# Altium PCB STM32G4_4008_brushless_motor.PcbDoc
Units mil, origin at the board's own origin, x right, y up, seen from the top; angles counter-clockwise.
Board outline 1811.02 x 1811.02 mil, 2 copper layers (Top Layer, Bottom Layer); 55 components, 41 nets, 231 pads, 66 vias.
Unrouted connection lines stored in the file: 51.
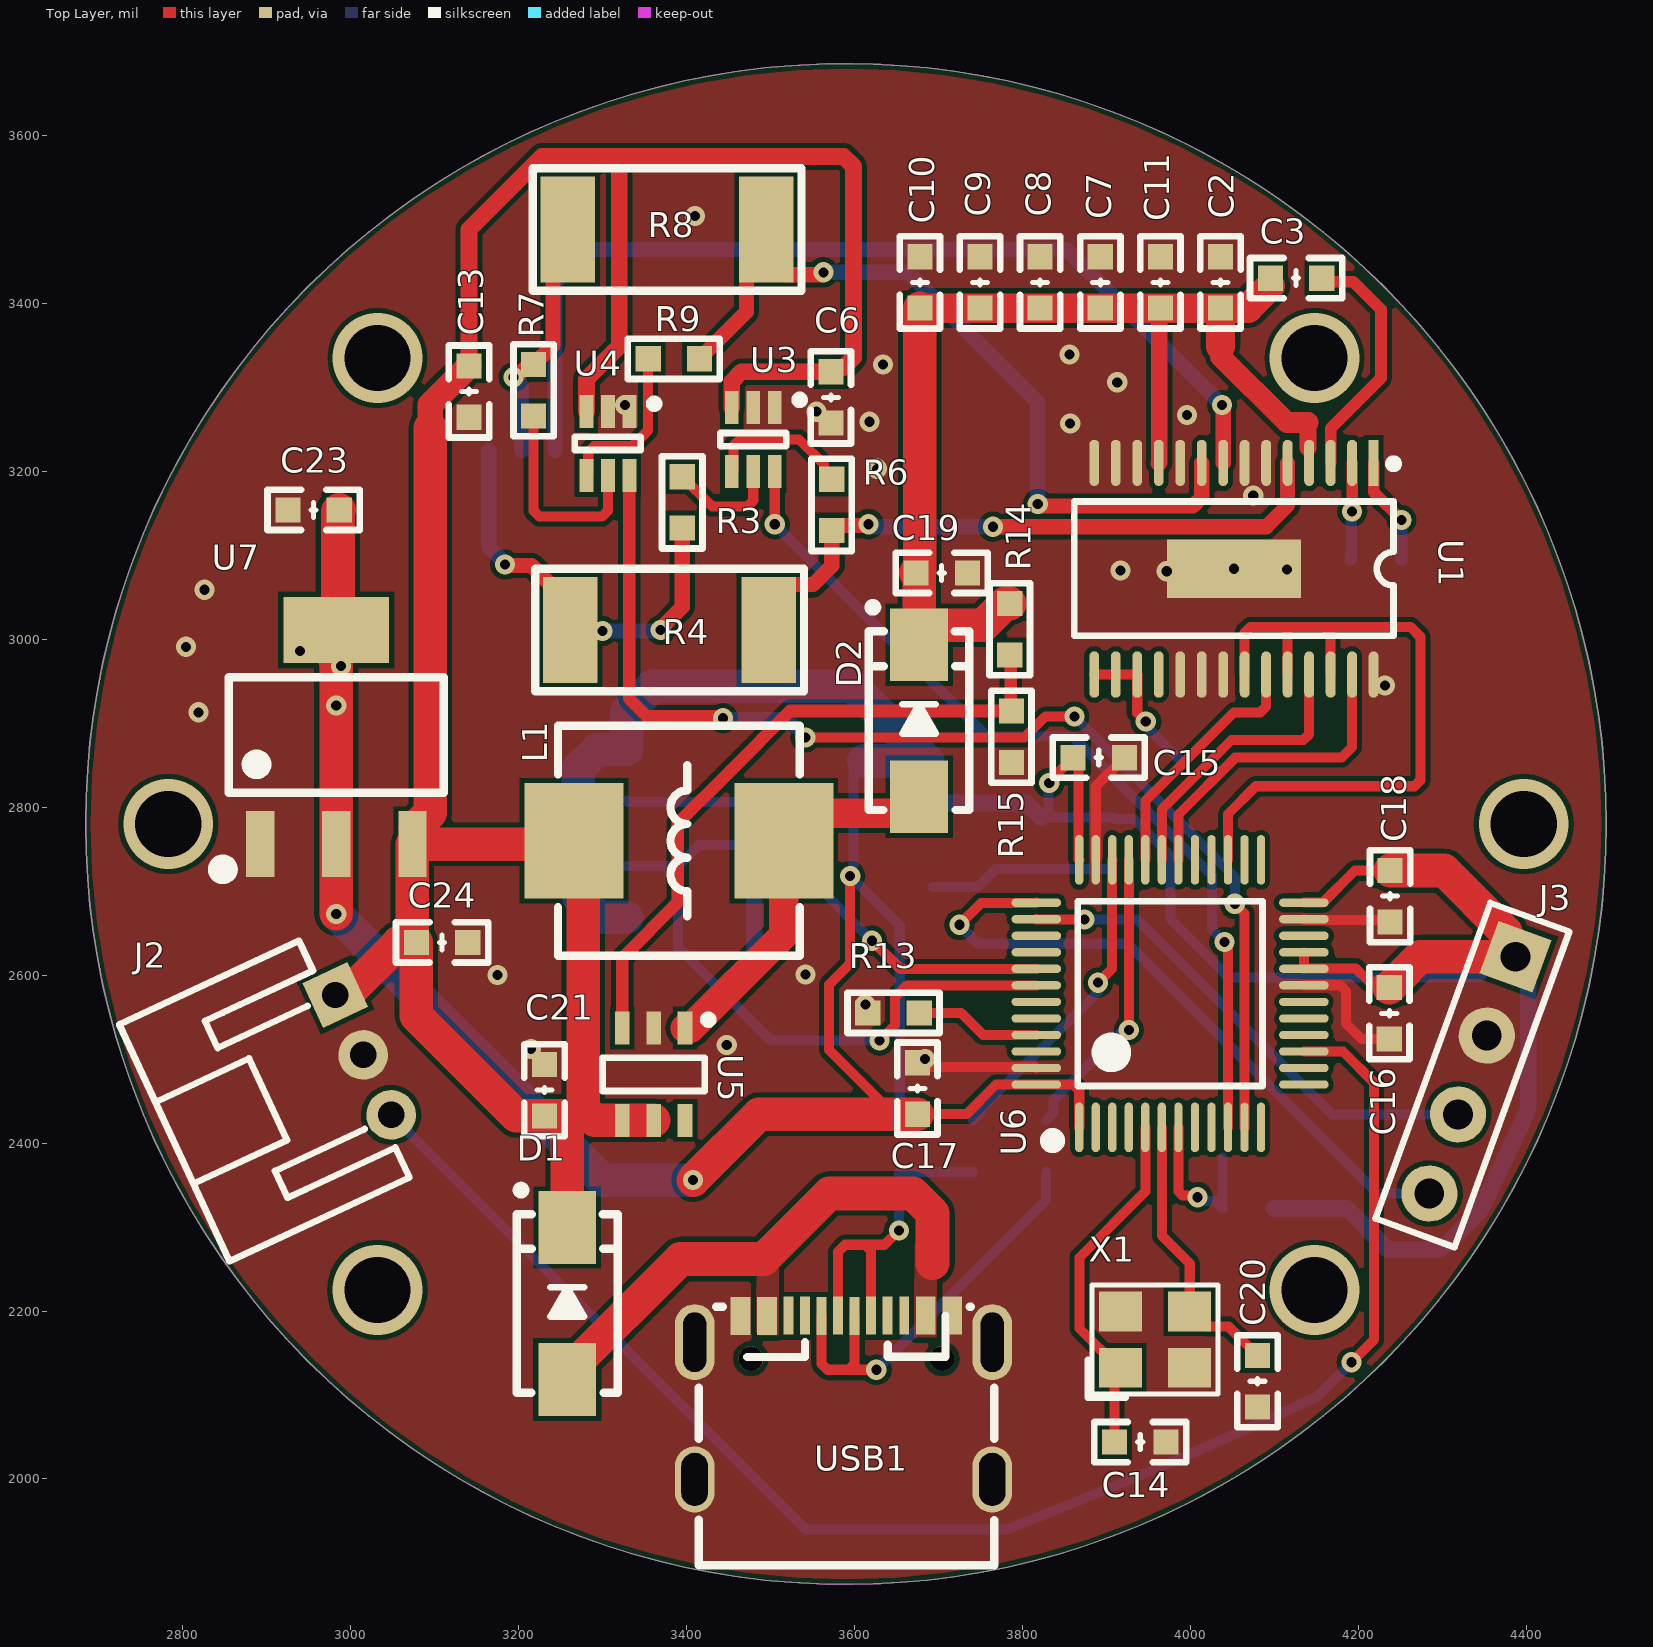
[diagram p0: Top Layer view]
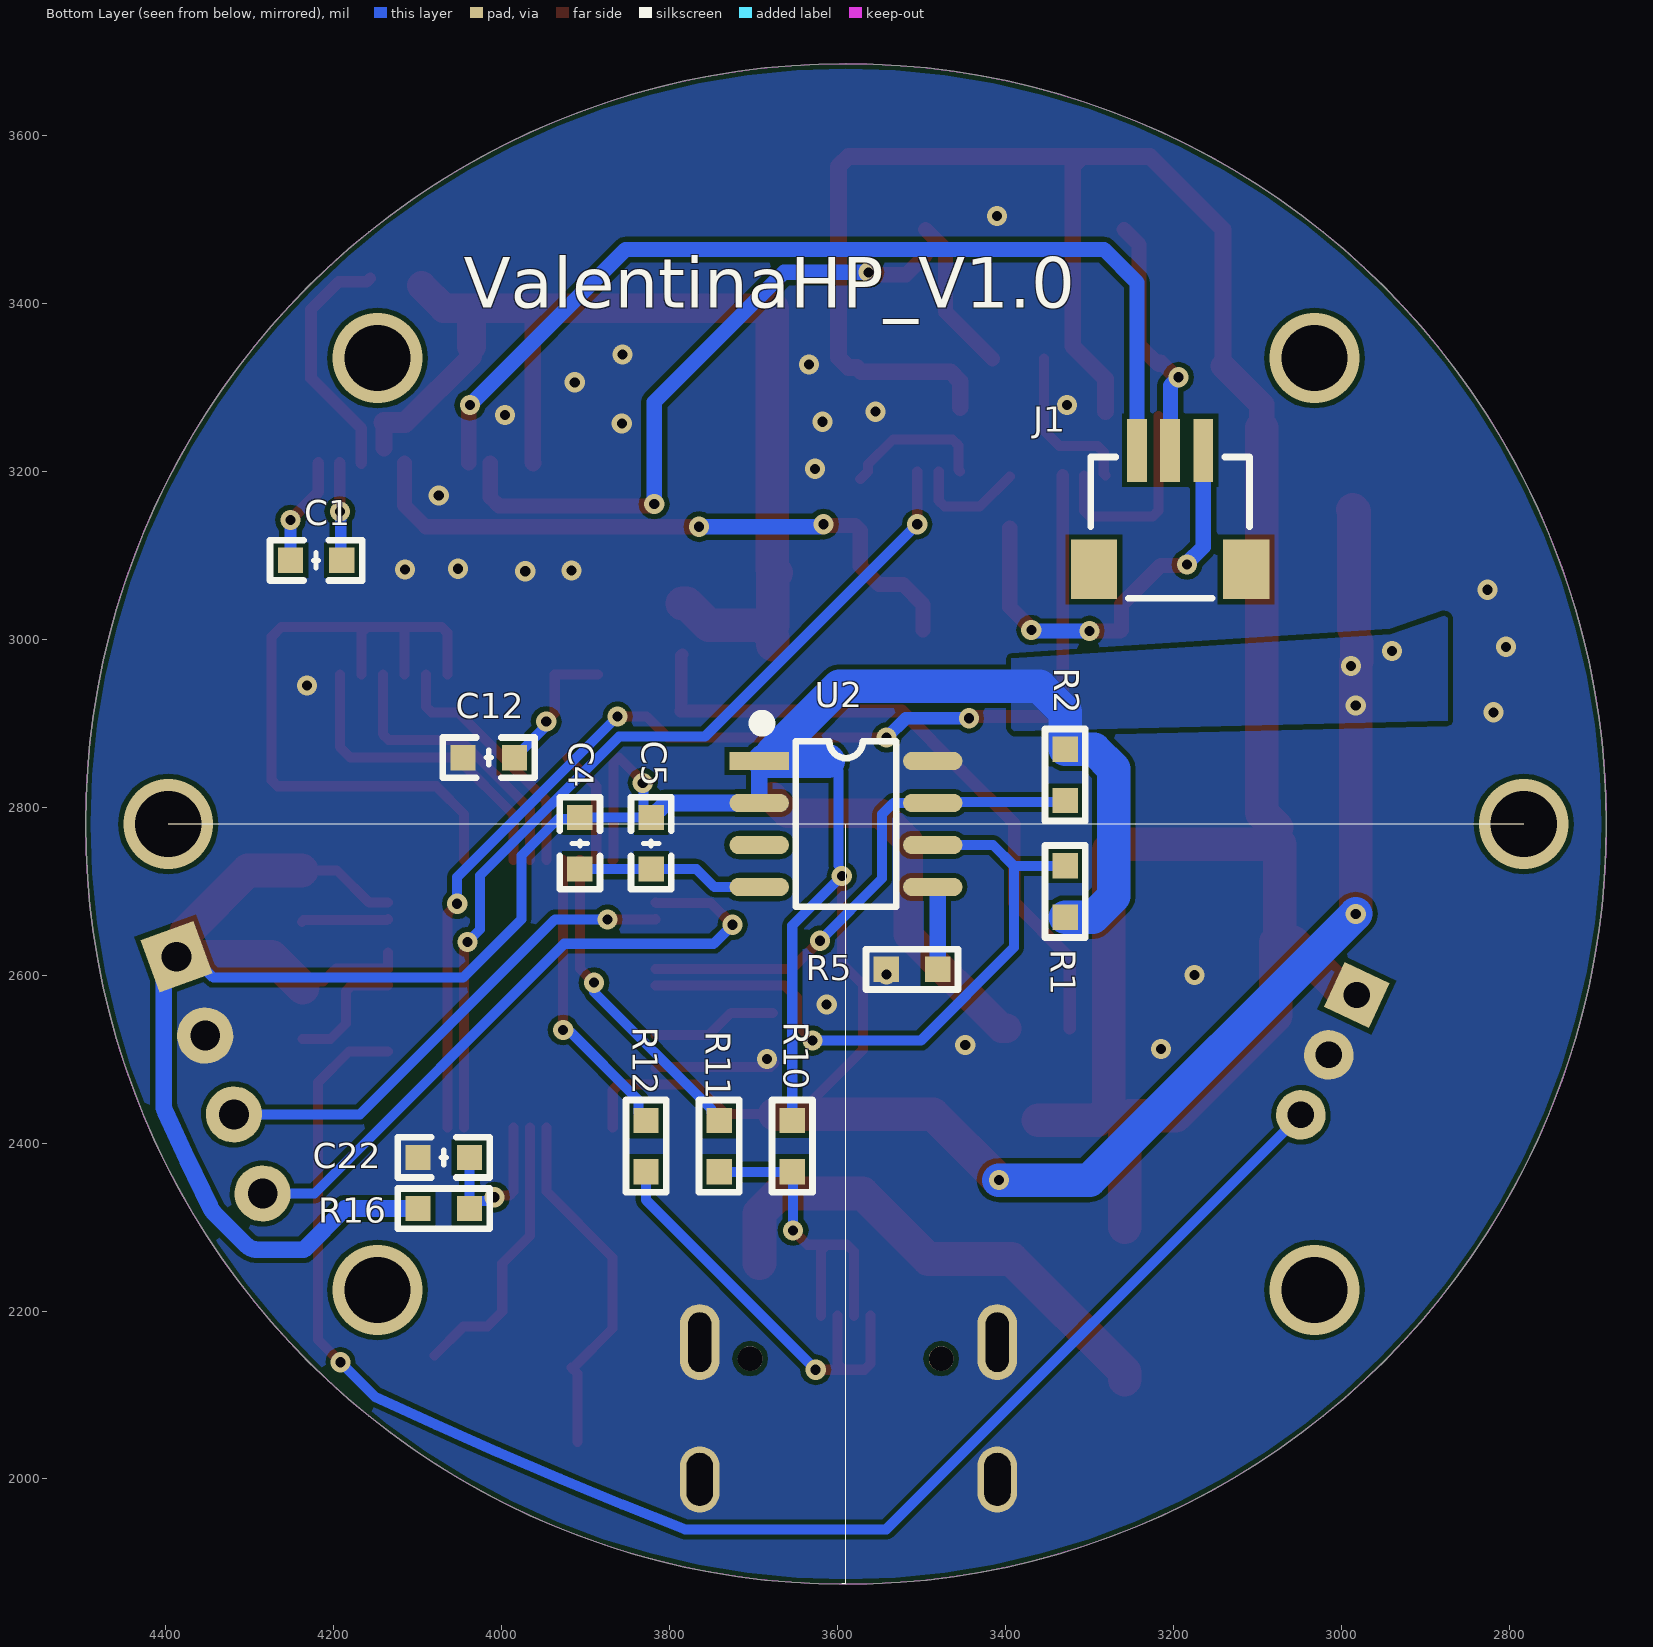
[diagram p1: Bottom Layer view, seen from below]

## Layer stack, top to bottom
Top Solder: solder mask 0.4, Solder Resist, Dk 3.5
Top Layer: signal copper 1.4
Dielectric 1: dielectric 12.6, FR-4, Dk 4.8
Bottom Layer: signal copper 1.4
Bottom Solder: solder mask 0.4, Solder Resist, Dk 3.5

## Board outline
2684.49,2780 ccw(c3590,2780) 3590,1874.49 ccw(c3590,2780) 4495.51,2780 ccw(c3590,2780) 3590,3685.51 ccw(c3590,2780)

## Design rules (kind name [scope] priority, off if disabled: settings)
Clearance [All] p1: gap=6 ignorepadtopadclearanceinfootprint=FALSE
HoleSize [All] p1: absolutevalues=TRUE maxlimit=400 minlimit=1 maxpercent=80.000 minpercent=20.000
HoleToHoleClearance [All] p1: gap=0 allowstackedmicrovias=TRUE
MinimumSolderMaskSliver [All] p1: minsoldermaskwidth=0
PlaneConnect [All] p1: planeconnectstyle=Direct reliefexpansion=20 reliefentries=4 reliefconductorwidth=10 reliefairgap=10
PolygonConnect [All] p1: connectstyle=Direct reliefconductorwidth=10 reliefentries=4 polygonreliefangle="90 Angle" airgapwidth=10
RoutingVias [All] p1: holewidth=12 width=24 viastyle="Through Hole" minholewidth=12 minwidth=24 maxholewidth=200 maxwidth=200
SilkToSilkClearance [All] p1: silktosilkclearance=0
SilkToSolderMaskClearance [IsPad] p1: minsilkscreentomaskgap=0 clearancetoexposedcopper=TRUE
SolderMaskExpansion [All] p1: expansion=4 istentingtop=FALSE
Width [All] p1: maxlimit=40 minlimit=10 preferedwidth=12
24 further rules are at their usual default settings.

## Components (designator, comment, footprint, x,y, rotation, side; value= is the part's Value field where it differs from the comment)
C1 "10 uf" "C 0603" 4221,3094 r180 bottom
C2 "0.1uf" "C 0603" 4036,3425 r270 top
C3 "100 nf" "C 0603" 4126,3430 r180 top
C4 "100 nf" "C 0603" 3907,2757 r270 bottom
C5 "1 uf" "C 0603" 3822,2757 r270 bottom
C6 "0.1uf" "C 0603" 3572,3288 r90 top
C7 "22uf" "C 0603" 3892.8,3425 r90 top
C8 "22uf" "C 0603" 3821.2,3425 r90 top
C9 "22uf" "C 0603" 3749.6,3425 r90 top
C10 "22uf" "C 0603" 3678,3425 r90 top
C11 "0.1 uf" "C 0603" 3964.4,3425 r90 top
C12 "470nf" "C 0603" 4015.41,2859 r0 bottom
C13 "0.1uf" "C 0603" 3141,3295 r90 top
C14 "20 pf" "C 0603" 3940.41,2044 r0 top
C15 "100nf" "C 0603" 3891,2859 r0 top
C16 "100nf" "C 0603" 4237,2554.59 r270 top
C17 "100nf" "C 0603" 3675,2465 r90 top
C18 "100nf" "C 0603" 4238,2694 r270 top
C19 "22 uf" "C 0603" 3704,3079 r0 top
C20 "20 pf" "C 0603" 4080,2116.41 r270 top
C21 "22 uf" "C 0603" 3231,2463 r90 top
C22 "1uf" "C 0603" 4069,2383 r0 bottom
C23 "10 uf" "C 0603" 2956,3154 r0 top
C24 "10 uf" "C 0603" 3109,2639 r0 top
D1 "二极管" SMA 3258,2209 r90 top
D2 "二极管" SMA 3677,2903 r90 top
J1 "电机输出" SH1.0-WT-3P 3204,3154 r180 bottom
J2 "PH2.0" PH2.0-WI-3P 3015,2505 r295 top
J3 "XH2.5-4" HDR2.54-M-LI-4P 4336,2481 r250 top
L1 "2.2uH" L-SMD-0630 3391,2760 r180 top
R1 "10 kR" "R 0603" 3329,2699.59 r270 bottom
R2 "10 kR" "R 0603" 3329,2838.41 r90 bottom
R3 "0R" "R 0603" 3395,3163 r90 top
R4 "0.05R" "R 2512-HP_L" 3380,3011 r0 top
R5 "1 KR" "R 0603" 3511.41,2607 r180 bottom
R6 "0R" "R 0603" 3573,3160 r90 top
R7 "0R" "R 0603" 3218,3296.59 r270 top
R8 "0.05R" "R 2512-HP_L" 3377,3488 r0 top
R9 "0R" "R 0603" 3385,3334 r180 top
R10 "1K" "R 0603" 3654,2396.41 r90 bottom
R11 "22R" "R 0603" 3741,2396.41 r90 bottom
R12 "22R" "R 0603" 3828,2396.41 r90 bottom
R13 "100K" "R 0603" 3646.59,2555 r180 top
R14 "19K" "R 0603" 3785,3012 r90 top
R15 "1K" "R 0603" 3787,2884 r90 top
R16 "10K" "R 0603" 4069,2322 r180 bottom
U1 "无刷电机驱动" TSSOP28_n 4052,3084 r270 top locked
U2 "AS5600" SOP8_N 3590,2780 r180 bottom
U3 "INA199A1" SOT36-3N 3479.59,3237.81 r90 top
U4 "INA199A1" SOT36-3N 3306.41,3233.19 r90 top
U5 "MT3608升压" SOT23-6L 3361,2482 r180 top
U6 "STM32G431CBT6" "TQFP48 7x7_L" 3976,2578 r0 top locked
U7 "AMS1117" SOT223_N 2983,2886 r0 top
USB1 "TYPE-C" USB-C-SMD_TYPE-C-USB-5 3587,2097 r0 top
X1 "8M" "OSC 3225-4P" 3958,2166 r0 top

## Footprints (in the part's own frame and the unit in brackets; to place one, negate y for a bottom-side part, rotate by r counter-clockwise, add the part's x,y. Pads: shape width x height; smd on the part's side, far side on the other; paste and mask are expansions set on the pad)
"C 0603" [mil] "无极性贴片电容"
  rect 30x30 smd: 1(-30.59,0) 2(30.59,0)
  silkscreen extent -55,-24 55,24, body extent -31,-16 31,16, height 32
HDR2.54-M-LI-4P [mm] "排母，4脚"
  rect 1.7x1.7 hole 0.9: 1(-3.81,0)
  round 1.7 hole 0.9: 2(-1.27,0) 3(1.27,0) 4(3.81,0)
  silkscreen extent -5.08,-1.27 5.08,1.27, body extent -5.08,-1.27 5.08,1.27, height 8.5
L-SMD-0630 [mm] "一体化成型电感"
  rect 3x3.5 smd: 1(-3.175,0) 2(3.175,0)
  silkscreen extent -3.66,-3.48 3.66,3.48, body extent -3.47,-3.3 3.47,3.3, height 3.05
"OSC 3225-4P" [mm] "3.2*2.5*0.7mm(长宽高)"
  rect 1.3x1.2 smd: 1(-1.05,-0.85) 2(1.05,-0.85) 3(1.05,0.85) 4(-1.05,0.85)
  silkscreen extent -2.03,-1.75 1.91,1.65, body extent -1.6,-1.25 1.6,1.25, height 0.7
PH2.0-WI-3P [mm] "长：7.9mm，宽：6mm，高：4.7mm"
  rect 1.5x1.5 hole 0.8: 1(-2,0)
  round 1.5 hole 0.8: 2(0,0) 3(2,0)
  silkscreen extent -3.95,-6.3 3.95,-0.3, body extent -3.95,-6.3 3.95,0.3, height 4.75
"R 0603" [mil] "1/10W高精度贴片电阻"
  rect 30x30 smd: 1(-30.59,0) 2(30.59,0)
  silkscreen extent -55,-24 55,24, body extent -31,-16 31,16, height 16
"R 2512-HP_L" [mm] "1W高精度贴片电阻"
  rect 1.65x3.2 smd: 1(-3,0) 2(3,0)
  silkscreen extent -4.06,-1.85 4.06,1.85, body extent -3.2,-1.6 3.2,1.6, height 0.55
SH1.0-WT-3P [mm] "SH1.0连接器-卧贴-3P                 联系卖家 免费查找封装"
  rect 1.4x1.8 smd: 0(-2.3,-1.8) 0(2.3,-1.8)
  rect 0.6x1.9 smd: 1(1,1.8) 2(0,1.8) 3(-1,1.8)
  silkscreen extent -2.4,-2.67 2.4,1.6, body extent -2.5,-2.66 2.5,2.29, height 2.9
SMA [mm] "4.5x2.6*2.2mm（长宽高，不包括引脚）"
  rect 2.2x1.75 smd: 1(-2.3,0) 2(2.3,0)
  silkscreen extent -2.7,-1.52 3.56,1.52, body extent -2.53,-1.3 2.58,1.3, height 2.15
SOP8_N [mm] "5*6*1.8mm（长宽高）"
  rect 1.8x0.55 smd: 1(-2.625,1.905)
  oval 1.8x0.55 smd: 2(-2.625,0.635) 3(-2.625,-0.635) 4(-2.625,-1.905) 5(2.625,-1.905) 6(2.625,-0.635) 7(2.625,0.635) 8(2.625,1.905)
  silkscreen extent -2.69,-2.5 1.52,3.2, body extent -3,-2.5 3,2.5, height 1.9
SOT23-6L [mm] "3x1.6x1.1mm(长宽高)"
  rect 0.45x1 smd: 1(-0.95,-1.397) 2(0,-1.397) 3(0.95,-1.397) 4(0.95,1.397) 5(0,1.397) 6(-0.95,1.397)
  silkscreen extent -1.78,-1.78 1.55,0.51, body extent -1.5,-1.4 1.5,1.4, height 1.15
SOT36-3N [mm]
  rect 1x0.42 smd mask+0.051: 1(0.97,-0.65) 2(0.97,0) 3(0.97,0.65) 4(-0.97,0.65) 5(-0.97,0) 6(-0.97,-0.65)
  silkscreen extent -0.2,-1.53 1.32,1, body extent -1.2,-1.1 1.2,1.1, height 1.1
SOT223_N [mm] "6.4x7x1.6mm(长宽高)"
  rect 0.85x2 smd: 1(-2.3,-3.302) 2(0,-3.302) 3(2.3,-3.302)
  rect 3.2x2 smd: 2(0,3.175)
  silkscreen extent -3.63,-4.26 3.25,1.75, body extent -3.25,-3.51 3.25,3.51, height 1.65
"TQFP48 7x7_L" [mm] "48脚，体宽：7x7mm, 脚距：0.5mm"
  oval 0.25x1.5 smd: 1(-2.75,-4.046) 2(-2.25,-4.046) 3(-1.75,-4.046) 4(-1.25,-4.046) 5(-0.75,-4.046) 6(-0.25,-4.046) 7(0.25,-4.046) 8(0.75,-4.046) 9(1.25,-4.046) 10(1.75,-4.046) 11(2.25,-4.046) 12(2.75,-4.046) 25(2.75,4.046) 26(2.25,4.046) 27(1.75,4.046) 28(1.25,4.046) 29(0.75,4.046) 30(0.25,4.046) 31(-0.25,4.046) 32(-0.75,4.046) 33(-1.25,4.046) 34(-1.75,4.046) 35(-2.25,4.046) 36(-2.75,4.046)
  oval 1.5x0.25 smd: 13(4.046,-2.75) 14(4.046,-2.25) 15(4.046,-1.75) 16(4.046,-1.25) 17(4.046,-0.75) 18(4.046,-0.25) 19(4.046,0.25) 20(4.046,0.75) 21(4.046,1.25) 22(4.046,1.75) 23(4.046,2.25) 24(4.046,2.75) 37(-4.046,2.75) 38(-4.046,2.25) 39(-4.046,1.75) 40(-4.046,1.25) 41(-4.046,0.75) 42(-4.046,0.25) 43(-4.046,-0.25) 44(-4.046,-0.75) 45(-4.046,-1.25) 46(-4.046,-1.75) 47(-4.046,-2.25) 48(-4.046,-2.75)
  silkscreen extent -3.68,-4.57 2.79,2.79, body extent -4.5,-4.5 4.5,4.5, height 1.05
TSSOP28_n [mm] "9.8*6.4*1mm（长宽高）"
  rect 1.4x0.3 smd: 1(-3.2,4.225)
  oval 1.4x0.3 smd: 2(-3.2,3.575) 3(-3.2,2.925) 4(-3.2,2.275) 5(-3.2,1.625) 6(-3.2,0.975) 7(-3.2,0.325) 8(-3.2,-0.325) 9(-3.2,-0.975) 10(-3.2,-1.625) 11(-3.2,-2.275) 12(-3.2,-2.925) 13(-3.2,-3.575) 14(-3.2,-4.225) 15(3.2,-4.225) 16(3.2,-3.575) 17(3.2,-2.925) 18(3.2,-2.275) 19(3.2,-1.625) 20(3.2,-0.975) 21(3.2,-0.325) 22(3.2,0.325) 23(3.2,0.975) 24(3.2,1.625) 25(3.2,2.275) 26(3.2,2.925) 27(3.2,3.575) 28(3.2,4.225)
  rect 1.778x4.064 smd: 29(0,0)
  silkscreen extent -3.3,-4.83 2.03,4.96, body extent -3.2,-4.9 3.2,4.9, height 1.03
USB-C-SMD_TYPE-C-USB-5 [mm]
  oval 1.2x2 hole 0.8 slot 1.6 at 90 deg: 0(-4.5,-2.475) 0(4.5,-2.475)
  oval 1.2x2.3 hole 0.7 slot 1.8 at 90 deg: 0(-4.5,1.675) 0(4.5,1.675)
  rect 0.3x1.15 smd: A1(-3.263,2.473) A4(-2.462,2.471) A5(-1.162,2.475) A6(-0.162,2.475) A7(0.337,2.473) A9(2.638,2.475) A12(3.438,2.475) B1(3.138,2.475) B4(2.337,2.475) B5(1.838,2.475) B6(0.838,2.475) B7(-0.663,2.473) B9(-2.162,2.471) B12(-2.963,2.473)
  rect 0.3x1.148 smd: A8(-1.663,2.475) B8(1.337,2.475)
  round 0.75 hole 0.75 unplated: ""(-2.803,1.175) ""(2.978,1.175)
  silkscreen extent -4.38,-5.08 4.56,2.75, body extent -4.34,-5.14 4.6,2.76, height 3.25

## Part data
C1 C2 C3 C4 C5 C6 C7 C8 C9 C10 C11 C12 C13 C14 C15 C16 C17 C18 C19 C20 C21 C22 C23 C24: library part 电容C, "电容0603"
L1: library part L, "小功率贴片电感", BOM名称=小功率贴片电感, 版权归属=源创客, 学习资源=www.ooocke.com
R1 R2 R3 R4 R5 R6 R7 R8 R9 R10 R11 R12 R13 R14 R15 R16: library part 电阻R, "电阻0603"
U1: library part DRV8313
U3 U4: "电流检测"
U5: library part MT3608
U7: library part 5V转3.3V, "电平转换模块"
USB1: "type-c"
X1: library part XTAL-4P, "4脚无源晶振", BOM名称=4脚无源晶振, 版权归属=源创客, 学习资源=www.ooocke.com

## Via types
v1: diameter 24, hole 12, Top Layer to Bottom Layer, 60 vias
v2: diameter 107, hole 78.74, Top Layer to Bottom Layer, 6 vias

## Nets (pads, with @x,y where several pads share a name; then routed paths per layer and width w, separated by ;. In a path a pad name is that pad's centre, name@x,y a point inside that pad or via, vN(x,y) a via of type N, cw(c..) or ccw(c..) an arc to the next point about the centre after c; other vN are vias at no path point)
+5V: C6.2 C13.2 C21.1 C24.1 D1.2 J2.1 L1.2 U3.3 U4.3 U5.4 U5.5 U7.3 | length 3273.9
  Top Layer w20: C13.2 3141,3488.21 3227.79,3575 3308.28,3575 ; U4.3 3280.82,3309.82 3320,3349 3320,3563.28 3308.28,3575 ; U3.3 3454,3306.87 3465.72,3318.59 C6.2 3577,3323.59 3587.29,3323.59 3599.01,3335.31 3599.01,3563.28 3587.29,3575 3308.28,3575
  Top Layer w30: 3095,3252 3095,3279.59 C13.2
  Top Layer w40: J2.1 2994.82,2576.36 3057.46,2639 C24.1 ; U7.3@3076.82,2775.37 3095,2793.55 3095,3252 ; D1.2 3258,2427 3252.59,2432.41 C21.1 3197.59,2432.41 3078.41,2551.59 C24.1 ; U5.5 U5.4 3290.8,2427 3277,2440.8 3277,2749 L1.2 3262,2756 U7.3 3073.55,2643.86 C24.1
+12V: C2.2 C3.2 C7.1 C8.1 C9.1 C10.1 C11.1 C19.1 D2.2 R14.2 U1.4 U1.11 | length 1352.7
  Top Layer w20: U1.11 3963,3210.55 3963,3393.01 C11.1 ; U1.4@4140,3227.54 4140,3258
  Top Layer w25: 4036,3349 4036,3337 4115,3258 4140,3258
  Top Layer w35: C10.1 C9.1 C8.1 C7.1 C11.1 C2.2 ; 4036,3349 C2.2 ; C3.2@4095.41,3421 4068.82,3394.41 C2.2
  Top Layer w40: D2.2 3677,3002.41 3691.45,3016.86 3753.68,3016.86 3779.41,3042.59 R14.2 ; D2.2@3677,3016.86 3677,3075.41 C19.1 3678,3083.59 C10.1
D+: R10.1 R11.1 USB1.A6 USB1.B6 | length 403.7
  Top Layer w12: USB1.A6 3580.61,2270.58 3589,2278.97 3612.95,2278.97 ; USB1.B6 3619.97,2271.95 3612.95,2278.97 ; v1(3653,2296) 3635.97,2278.97 3612.95,2278.97
  Bottom Layer w12: v1(3653,2296) 3653,2364.82 R10.1 R11.1
D-: R12.1 USB1.A7 USB1.B7 | length 511.9
  Top Layer w12: USB1.B7 3560.91,2137.11 3567.94,2130.09 3593.26,2130.09 ; USB1.A7 3600.28,2137.11 3593.26,2130.09 ; v1(3626.09,2130.09) 3593.26,2130.09
  Bottom Layer w12: v1(3626.09,2130.09) 3828,2332 R12.1
DIN: J2.3 U6.15 | length 1844.3
  Top Layer w12: U6.15 4181.77,2509.1 4219,2471.88 4219,2166 v1(4192,2139)
  Bottom Layer w12: J2.3 3541.91,1940 3781.88,1940 ccw(c1489.77,7805.93) 4150.95,2097.95 v1@4194.49,2141.49
EN: U1.22 U1.24 U1.26 U6.27 | length 854.5
  Top Layer w12: U6.27 4044.9,2791.9 4077.95,2824.95 4266.92,2824.95 4273.95,2831.98 4273.95,3003.05 4262.2,3014.8 4160.18,3014.8 ; U1.22 4064.8,3007.77 4071.82,3014.8 4116,3014.8 4160.18,3014.8 ; U1.24 4115.98,3014.77 ; U1.26 4167.2,2958.06 4167.2,3007.77 4160.18,3014.8
GND: C2.1 C6.1 C7.2 C8.2 C9.2 C10.2 C11.2 C12.2 C13.1 C14.2 C15.2 C16.2 C17.2 C18.2 C19.2 C20.2 C21.2 C22.2 C23.1 C24.2 J2.2 J3.2 R5.1 R13.2 R15.1 U1.6 U1.7 U1.10 U1.12 U1.13 U1.14 U1.19 U1.20 U1.21 U1.28 U1.29 U2.8 U3.1 U3.2 U4.1 U4.2 U5.2 U6.19 U6.23 U6.35 U6.47 U7.1 USB1.0 USB1.A1 USB1.A12 USB1.B1 USB1.B12 X1.2 X1.4 | length 534.9
  Top Layer w12: C17.2 3680.09,2490.5 3815.63,2490.5 U6.47 ; U6.35 3887.42,2824.83 C15.2 ; U6.19 4135.45,2588 4178.42,2588 4185.45,2580.97 4185.45,2542.55 4204,2524 C16.2 ; U6.23 4136.37,2665.5 4235.91,2665.5 C18.2
  other v1: 3684,2500 3215,2512 3448,2517 3613,2565 3175,2600 3541.8,2600.85 2819,2913 4232,2945 2804,2991 2826,3059 3972,3081 3917,3082 4115,3083 4052,3084 4075,3171 3627,3203 3857,3257 3618,3259 3996,3267 3555,3271 3327,3279 3913,3306 3634,3327 3856,3339 3410,3504
M_U: R4.2 R6.1 U1.5 | length 774.8
  Top Layer w18: R4.2 3498.11,3041.51 3521.59,3064.99 3550.58,3064.99 3573,3087.41 R6.1 3579,3135.41 3613.6,3135.41 3615.2,3137 v1(3616.82,3137) ; v1(3765,3134) 4090.41,3134 4115.98,3159.57 U1.5
  Bottom Layer w18: v1(3616.82,3137) 3618.44,3137 3621.44,3134 v1(3765,3134)
M_U_OUT: J1.1 R3.1 R4.1 | length 512.3
  Top Layer w18: v1(3183.89,3089) 3185.04,3087.85 3215.55,3087.85 3261.89,3041.51 R4.1 3262.89,3010 v1(3300,3010) ; v1(3369.32,3011) 3369.32,3012.62 3395,3038.3 R3.1
  Bottom Layer w18: J1.1 3164.63,3109.88 3183.89,3090.62 v1(3183.89,3089) ; v1(3300,3010) 3368.32,3010 v1(3369.32,3011)
M_V: R8.2 R9.1 U1.9 | length 949.5
  Top Layer w18: R9.1 3471.63,3390.04 3471.63,3464.52 R8.2 ; R8.2@3495.11,3457.49 3518.59,3434.01 3560.01,3434.01 v1(3563,3437) ; v1(3818.39,3161) 3818.39,3158.61 4003.07,3158.61 4013.61,3169.16 U1.9
  Bottom Layer w18: v1(3563,3437) 3664,3437 3818.39,3282.61 v1(3818.39,3161)
M_V_OUT: J1.2 R7.1 R8.1 | length 301.7
  Top Layer w18: v1(3194,3312) 3197.18,3312 3215.18,3330 R7.1 3241,3350.18 3241,3470.11 R8.1
  Bottom Layer w18: v1(3194,3312) 3203.78,3302.22 3203.78,3225.08 J1.2
M_W: J1.3 U1.8 | length 1157.5
  Top Layer w18: v1(4037.95,3278.8) 4039.2,3278.8 U1.8
  Bottom Layer w18: J1.3 3243.37,3424.83 3282.54,3464 3852.75,3464 v1(4037.95,3278.8)
NetC1_1: C1.1 U1.1 | length 129.8
  Top Layer w14: U1.1 4218.34,3175.28 v1(4251.59,3142.03)
  Bottom Layer w14: C1.1 v1(4251.59,3142.03)
NetC1_2: C1.2 U1.2 | length 116.9
  Top Layer w14: v1(4192.75,3152.18) U1.2
  Bottom Layer w14: C1.2 4191.58,3095.17 4191.58,3151.01 v1(4192.75,3152.18)
NetC3_1: C3.1 U1.3 | length 293.5
  Top Layer w14: C3.1 4160.74,3425.86 4194.14,3425.86 4227,3393 4227,3310.87 4167.16,3251.02 U1.3
NetC4_2: C4.2 C5.2 U2.4 | length 222.5
  Bottom Layer w12: U2.4 3746.78,2705 3768.19,2726.41 C5.2 C4.2
NetC12_1: C12.1 U1.15 U1.16 U1.17 | length 170.1
  Top Layer w12: U1.15 U1.16 U1.17 3936.84,2912.16 v1(3947,2902)
  Bottom Layer w12: v1(3947,2902) 3949.3,2899.7 3949.3,2894.52 C12.1
NetC22_1: C22.1 R16.2 U6.7 | length 198.2
  Top Layer w12: U6.7 3985.84,2342.57 3990.58,2337.84 4006.46,2337.84 v1(4008.76,2335.54)
  Bottom Layer w12: v1(4008.76,2335.54) 4012.01,2335.54 4016.55,2331 4029.41,2331 R16.2 C22.1
NetD2_1: D2.1 L1.1 U5.1 | length 459.7
  Top Layer w35: U5.1 3404.86,2537 3516,2648.14 L1.1 3549,2793 3660.05,2793 3677,2809.95 D2.1
NetR3_2: R3.2 U3.5 | length 136.8
  Top Layer w12: R3.2 3430.59,3158 3472.56,3158 3479.59,3165.03 U3.5
NetR5_2: R5.2 U2.5 | length 103.4
  Bottom Layer w20: R5.2 3480.82,2704.24 3481.58,2705 U2.5
NetR6_2: R6.2 U3.4 | length 176.5
  Top Layer w12: U3.4 3456.27,3201.89 3456.27,3230.97 3463.3,3238 3534,3238 3564,3208 3564,3199.59 R6.2
NetR7_2: R7.2 U4.5 | length 249.2
  Top Layer w12: R7.2 3218,3153.03 3225.03,3146 3299.38,3146 3306.41,3153.03 U4.5
NetR9_2: R9.2 U4.4 | length 196.1
  Top Layer w12: U4.4 3283.09,3197.27 3283.09,3222.97 3290.12,3230 3335.55,3230 3354.41,3248.86 R9.2
NetR13_1: R13.1 U6.45 | length 150.4
  Top Layer w12: R13.1 3727.11,2555 3753.33,2528.79 U6.45
NetR14_1: R14.1 R15.2 U5.3 | length 791.5
  Top Layer w15: U5.3 3323.6,2620.6 3389.48,2686.48 3389.48,2780.52 3452.22,2843.26 3523.55,2914.59 R15.2 3786,2915.59 3786,2980.41 R14.1
OSC_IN: C14.1 U6.5 X1.1 | length 431.4
  Top Layer w12: C14.1 3909.82,2125.69 X1.1 3914.69,2132.54 3868,2179.23 3868,2263.85 3946.47,2342.33 U6.5
OSC_OUT: C20.1 U6.6 X1.3 | length 335.4
  Top Layer w12: U6.6 3966.16,2289.84 3999.34,2256.66 X1.3 4016.96,2181.84 4045.16,2181.84 C20.1
PWM1: U1.27 U6.30 | length 380.6
  Top Layer w12: U6.30 3985.84,2791.39 4053.46,2859 4180,2859 4192.75,2871.75 U1.27
PWM2: U1.25 U6.31 | length 343.5
  Top Layer w12: U6.31 3966.16,2797.16 4049,2880 4134.54,2880 4141.57,2887.03 U1.25
PWM3: U1.23 U6.32 | length 298.7
  Top Layer w12: U6.32 3946.47,2807.47 4052,2913 4083.36,2913 4090.39,2920.03 U1.23
SCL: R2.1 U2.7 U6.41 | length 615.6
  Top Layer w12: v1(3621,2641) 3654.47,2607.53 U6.41
  Bottom Layer w12: R2.1 3330.41,2806.41 3485.24,2806.41 U2.7 3533.68,2805 3547,2791.68 3547,2715 v1(3621,2641)
SDA: R1.1 U2.6 U6.42 | length 784.2
  Top Layer w12: v1(3630,2522) 3648.48,2540.51 3648.48,2573.27 3663.05,2587.84 U6.42
  Bottom Layer w12: R1.1 3390.18,2730.18 ; U2.6 3415,2755 3390.18,2730.18 ; v1(3630,2522) 3501,2522 3390.18,2632.82 3390.18,2730.18
SWCLK: J3.3 U6.38 | length 598.5
  Top Layer w12: U6.38 3816.87,2666.42 3873.84,2666.42 v1(3874,2666.26)
  Bottom Layer w12: v1(3874,2666.26) 3936.74,2666.26 4168.98,2434.02 J3.3
SWIO: J3.4 U6.37 | length 794.8
  Top Layer w12: v1(3725,2660) 3751,2686 3816.44,2686 U6.37
  Bottom Layer w12: v1(3725,2660) 3747.57,2637.43 3925.57,2637.43 4222.95,2340.05 J3.4
U_ADC_Out: U3.6 U6.10 | length 1064.4
  Top Layer w12: v1(3505.18,3136.96) U3.6 ; v1(4040.58,2639.58) 4040.58,2636.34 4044.9,2632.02 U6.10
  Bottom Layer w12: v1(3505.18,3136.96) 3758.14,2884 3860.46,2884 4025.73,2718.73 4025.73,2654.44 v1(4040.58,2639.58)
USB_D+: R11.2 U6.34 | length 379.1
  Top Layer w12: v1(3890,2591) 3907,2608 3907,2737.19 U6.34
  Bottom Layer w12: R11.2 3750,2436 3750,2440 3890,2580 v1(3890,2591)
USB_D-: R12.2 U6.33 | length 354.7
  Top Layer w12: v1(3926.79,2534.79) U6.33
  Bottom Layer w12: R12.2 3837,2436 3837,2451 3918.49,2532.49 3924.49,2532.49 v1(3926.79,2534.79)
V_ADC_Out: U4.6 U6.11 | length 1398.6
  Top Layer w12: v1(3541.59,2882.97) 3802.35,2882.97 3827.38,2908 v1(3862,2908) ; v1(4053,2685) 4064.58,2673.42 U6.11
  Top Layer w15: U4.6 3332,2929 3352.94,2908.06 3435.08,2908.06 3435.49,2907.65 3441.85,2907.65 v1(3443.58,2905.93)
  Bottom Layer w12: v1(3862,2908) 4053,2717 v1(4053,2685)
  Bottom Layer w15: v1(3443.58,2905.93) 3518.64,2905.93 v1(3541.59,2882.97)
VBUS: D1.1 USB1.A4 USB1.A9 USB1.B4 USB1.B9 | length 601.2
  Top Layer w40: D1.1 3258,2127.31 3392.69,2262 3492,2262 3570,2340 3669.57,2340 3693,2316.57 3693,2257
VCC_3V3: C4.1 C5.1 C15.1 C16.1 C17.1 C18.1 C23.2 J3.1 R1.2 R2.2 R10.2 R16.1 U2.1 U2.2 U6.1 U6.20 U6.21 U6.24 U6.36 U6.48 U7.2 | length 5473.9
  Top Layer w12: v1(3595,2718) 3595,2614 3570,2589 3570,2511 3646.59,2434.41 ; C17.1 3733.41,2434.41 3768.73,2469.73 U6.48 3816.98,2470 3860.7,2470 3867.73,2462.97 U6.1 ; v1(3832,2829) 3832,2830.59 C15.1 3867,2852.41 3867,2738.02 U6.36 ; U6.21 U6.20 4135.76,2608 4197,2608 4212.68,2592.32 C16.1@4244.14,2592.32 ; U6.24 4157.74,2686.27 4196.06,2724.59 C18.1
  Top Layer w40: U7.2@2981.57,2996.52 2981.57,2973.98 2983,2972.55 2983,2756 v1(2983,2673) ; U7.2@2985,3013 2985,3152.41 C23.2 ; v1(3408,2356) 3486.41,2434.41 3646.59,2434.41 C17.1 ; C16.1 4244.14,2592.32 4273.77,2621.95 J3.1 4375.59,2633.67 4375.59,2651.41 4302.41,2724.59 C18.1
  Bottom Layer w12: v1(3595,2718) 3654,2659 R10.2 ; 3599,2730.49 3599,2843 3611,2855 ; v1(3832,2829) 3831.24,2828.24 3831.24,2803.62 3831,2803.38 3831,2796.59 C5.1 C4.1 3908.56,2786.03 3932.97,2786.03 3976.53,2742.47 3976.53,2666.47 4046.03,2596.97 4343.38,2596.97 4368.36,2621.95 J3.1
  Bottom Layer w20: U2.1 U2.2 3804.59,2805 C5.1 ; R16.1 4186.68,2322 4235.68,2273 4290.4,2273 ccw(c4290.4,2293) 4304.54,2278.86 4321.19,2295.51 4342.58,2316.9 ccw(c4328.45,2331.06) 4346.8,2323.1 cw(c4365.11,2315.04) 4347.16,2323.87 ccw(c844.09,4047.03) 4400.78,2437.46 ccw(c4382.57,2445.71) 4402.57,2445.71 4402.57,2606.69 J3.1
  Bottom Layer w40: v1(2983,2673) 3300,2356 v1(3408,2356) ; R1.2 3296,2669 3271,2694 3271,2845.57 3294.43,2869 R2.2 3329,2913.57 3359.36,2943.93 3598.16,2943.93 U2.1@3677.91,2864.17 ; 3611,2855 U2.1@3687.09,2855
  other v1: 2983,2921 2988.59,2968.3 2940,2986
pads on no net: J1.0 U1.18 U2.3 U5.6 U6.2 U6.3 U6.4 U6.8 U6.9 U6.12 U6.13 U6.14 U6.16 U6.17 U6.18 U6.22 U6.25 U6.26 U6.28 U6.29 U6.39 U6.40 U6.43 U6.44 U6.46 USB1. USB1.A5 USB1.A8 USB1.B5 USB1.B8
copper on no net:
  other v2: 3031.93,2225.25 4148.03,2225.25 2782.91,2780 4397.09,2780 3031.93,3334.75 4148.03,3334.75

## Polygon pours and split planes (outlines as drawn)
GND on Top Layer "NONET_L-01_P-001" (solid, pour order 2): 2682.78,2779.29 ccw(c3588.29,2779.29) 3588.29,1873.78 ccw(c3588.29,2779.29) 4493.81,2779.29 ccw(c3588.29,2779.29) 3588.29,3684.81 ccw(c3588.29,2779.29)
VBUS on Top Layer "NONET_L-01_P-001" (solid, pour order 1): 3671,2169 3698,2169 3698,2280 3672,2280
VBUS on Top Layer "NONET_L-01_P-001" (solid, pour order 0): 3483,2171 3510,2171 3510,2282 3484,2282
GND on Bottom Layer "NONET_L-01_P-001" (solid, pour order 5): 2687.98,2778.64 ccw(c3593.49,2778.64) 3593.49,1873.13 ccw(c3593.49,2778.64) 4499,2778.64 ccw(c3593.49,2778.64) 3593.49,3684.16 ccw(c3593.49,2778.64)
VCC_3V3 on Bottom Layer "NONET_L-01_P-001" (solid, pour order 4): 2873.3,3029.7 2941,3006 3393,2977.15 3393,2890.29 2873.3,2903

## Keep-outs
Keep-Out Layer:
  circle w0.5: c3590,2780 r905.51

## Silkscreen, mask and mechanical layers (free items; w line width, h text height)
Bottom Overlay:
  lines w1: 2782.91,2780 4397.09,2780 ; 3590,2780 3590,1875 3595,1875
  text "ValentinaHP_V1.0" at 4045,3395 h60